# Altium PCB USB-GPIB-hammond.PcbDoc
Units mm, origin at the board's own origin, x right, y up, seen from the top; angles counter-clockwise.
Board outline 56.61 x 57.66 mm, 4 copper layers (Top Layer, Layer 1, Layer 2, Bottom Layer), stack 1.585 mm thick; 46 components, 65 nets, 247 pads, 131 vias.
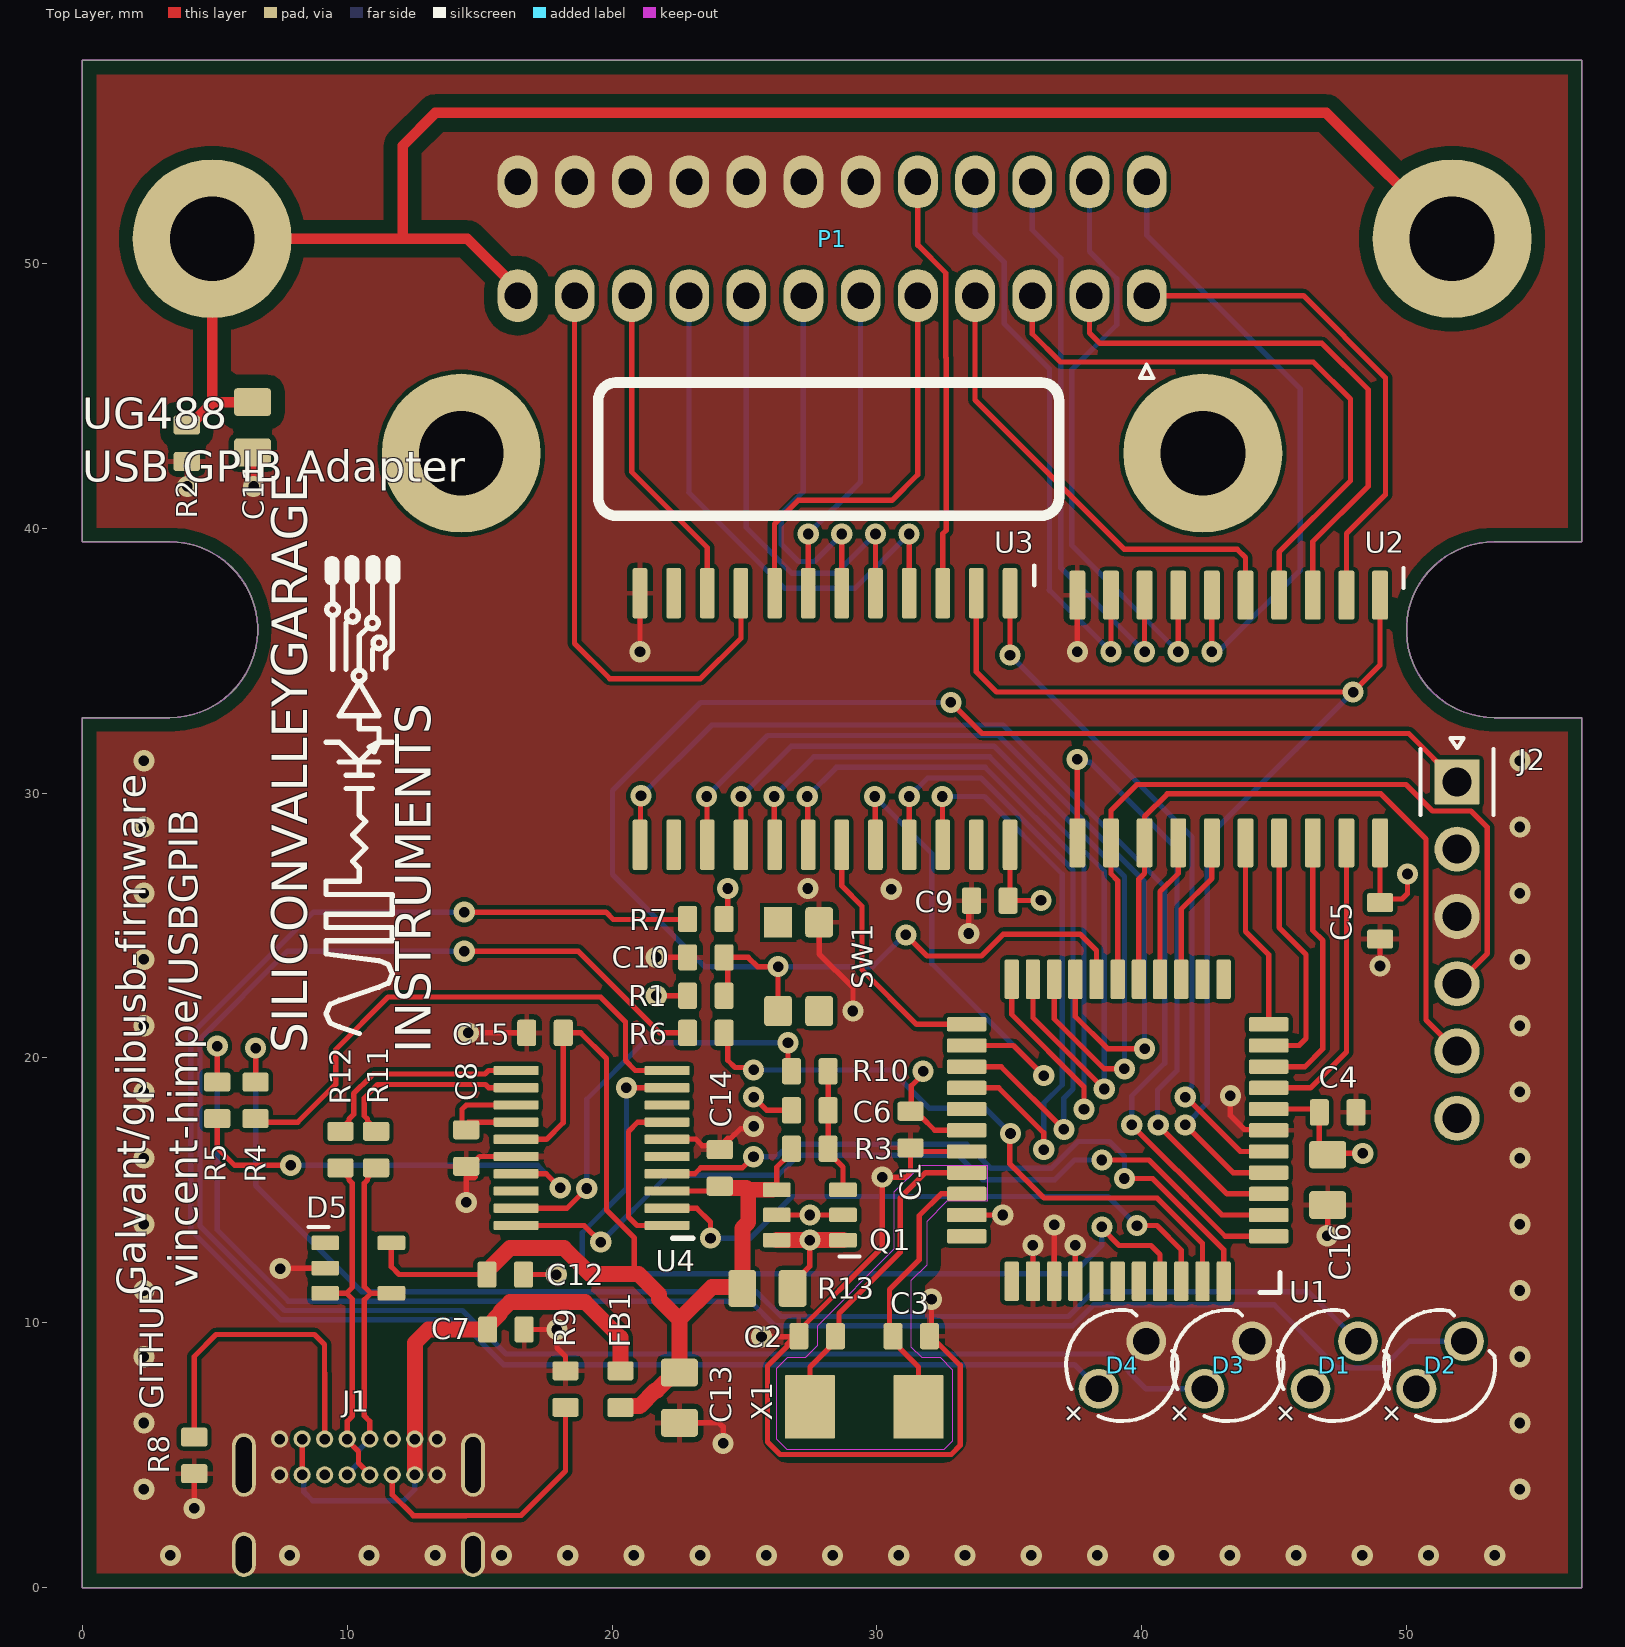
[diagram p0: Top Layer view]
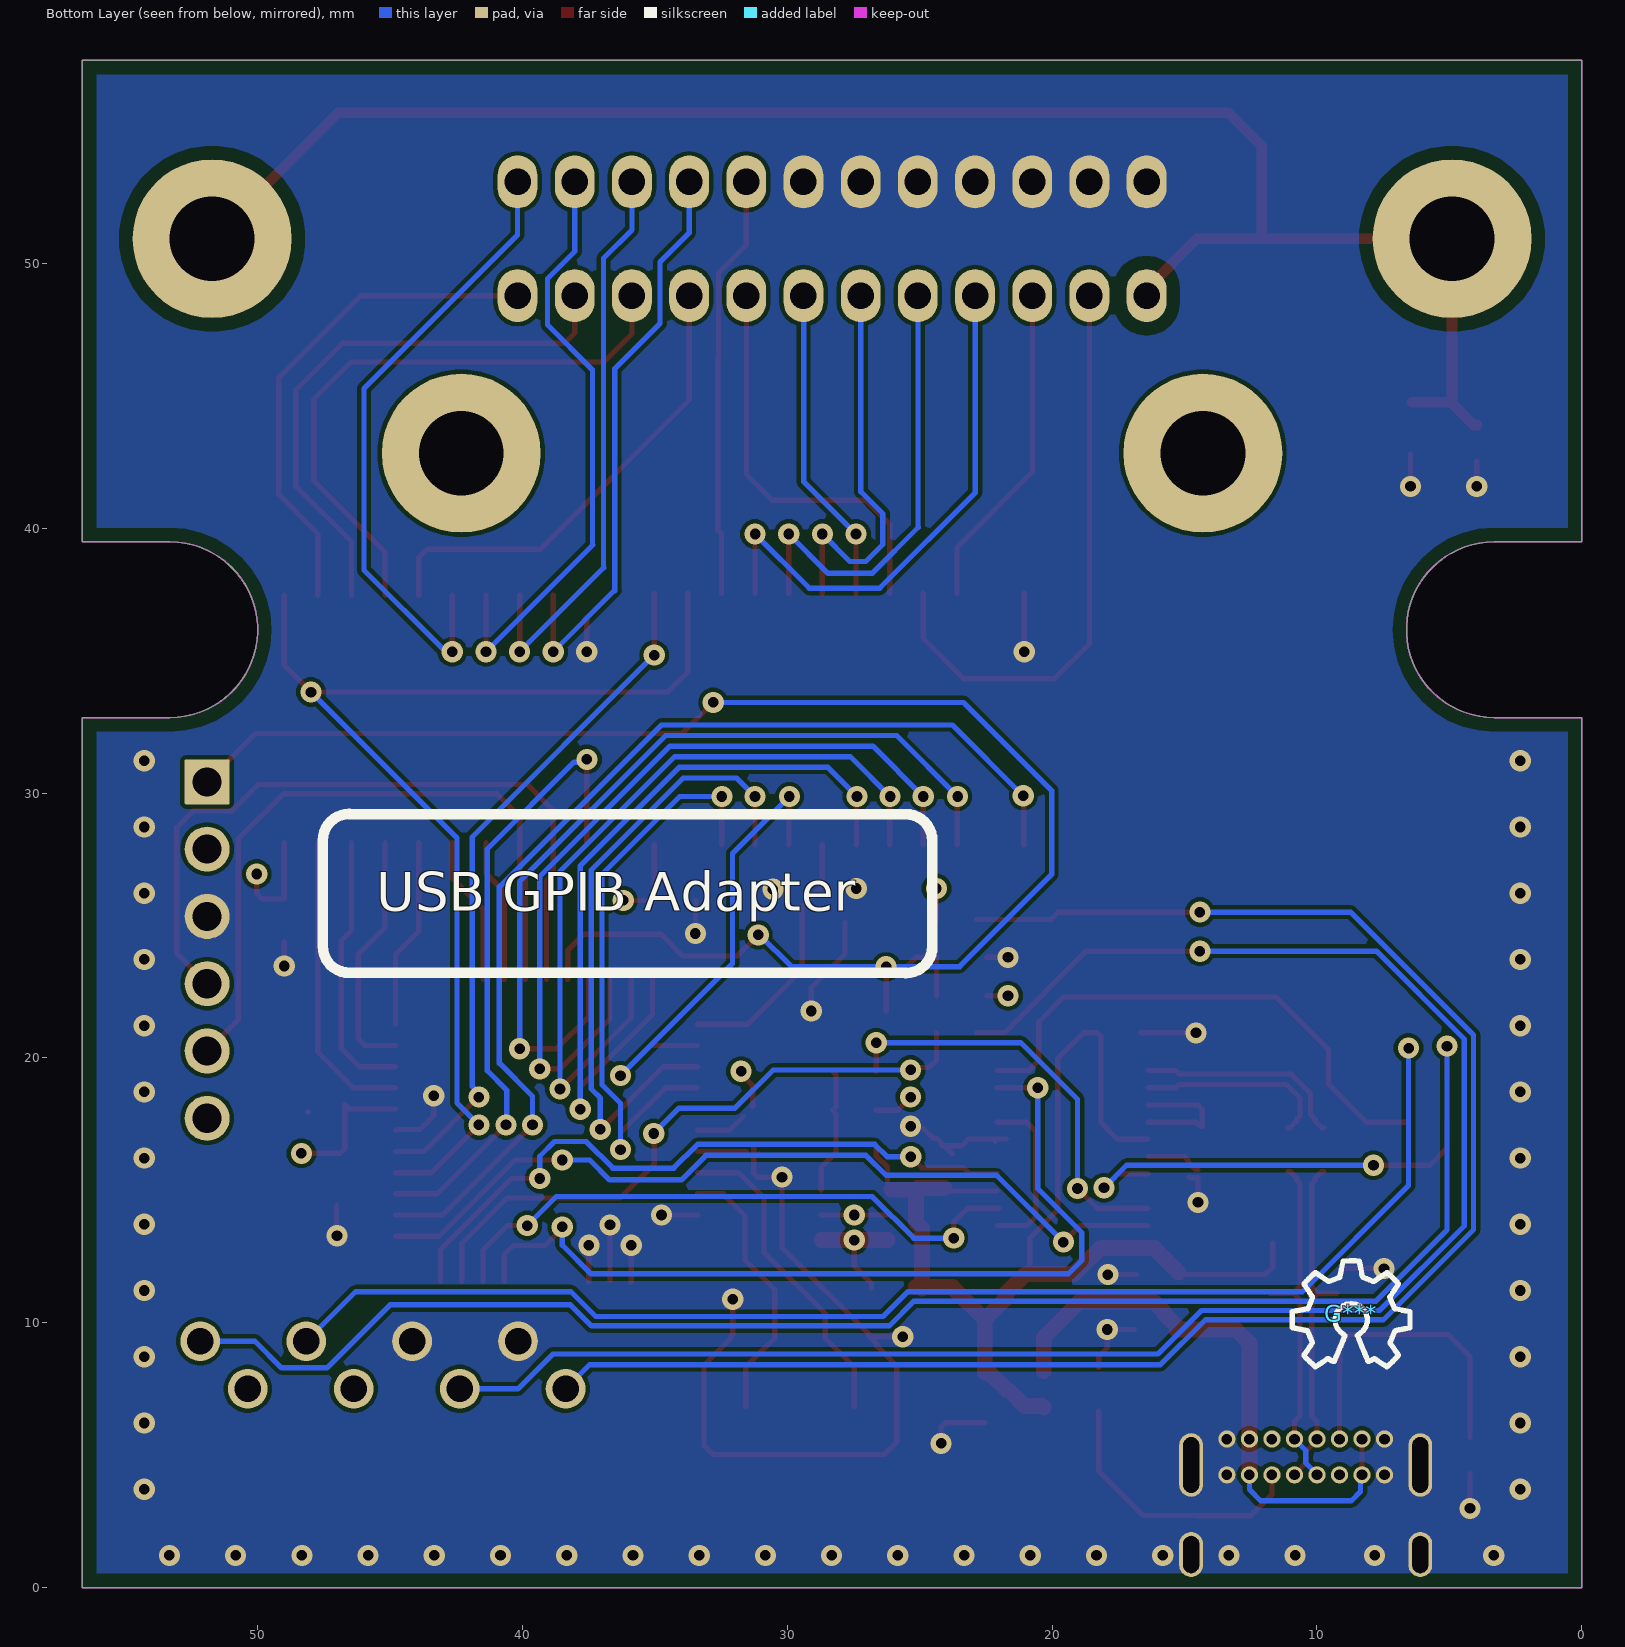
[diagram p1: Bottom Layer view, seen from below]
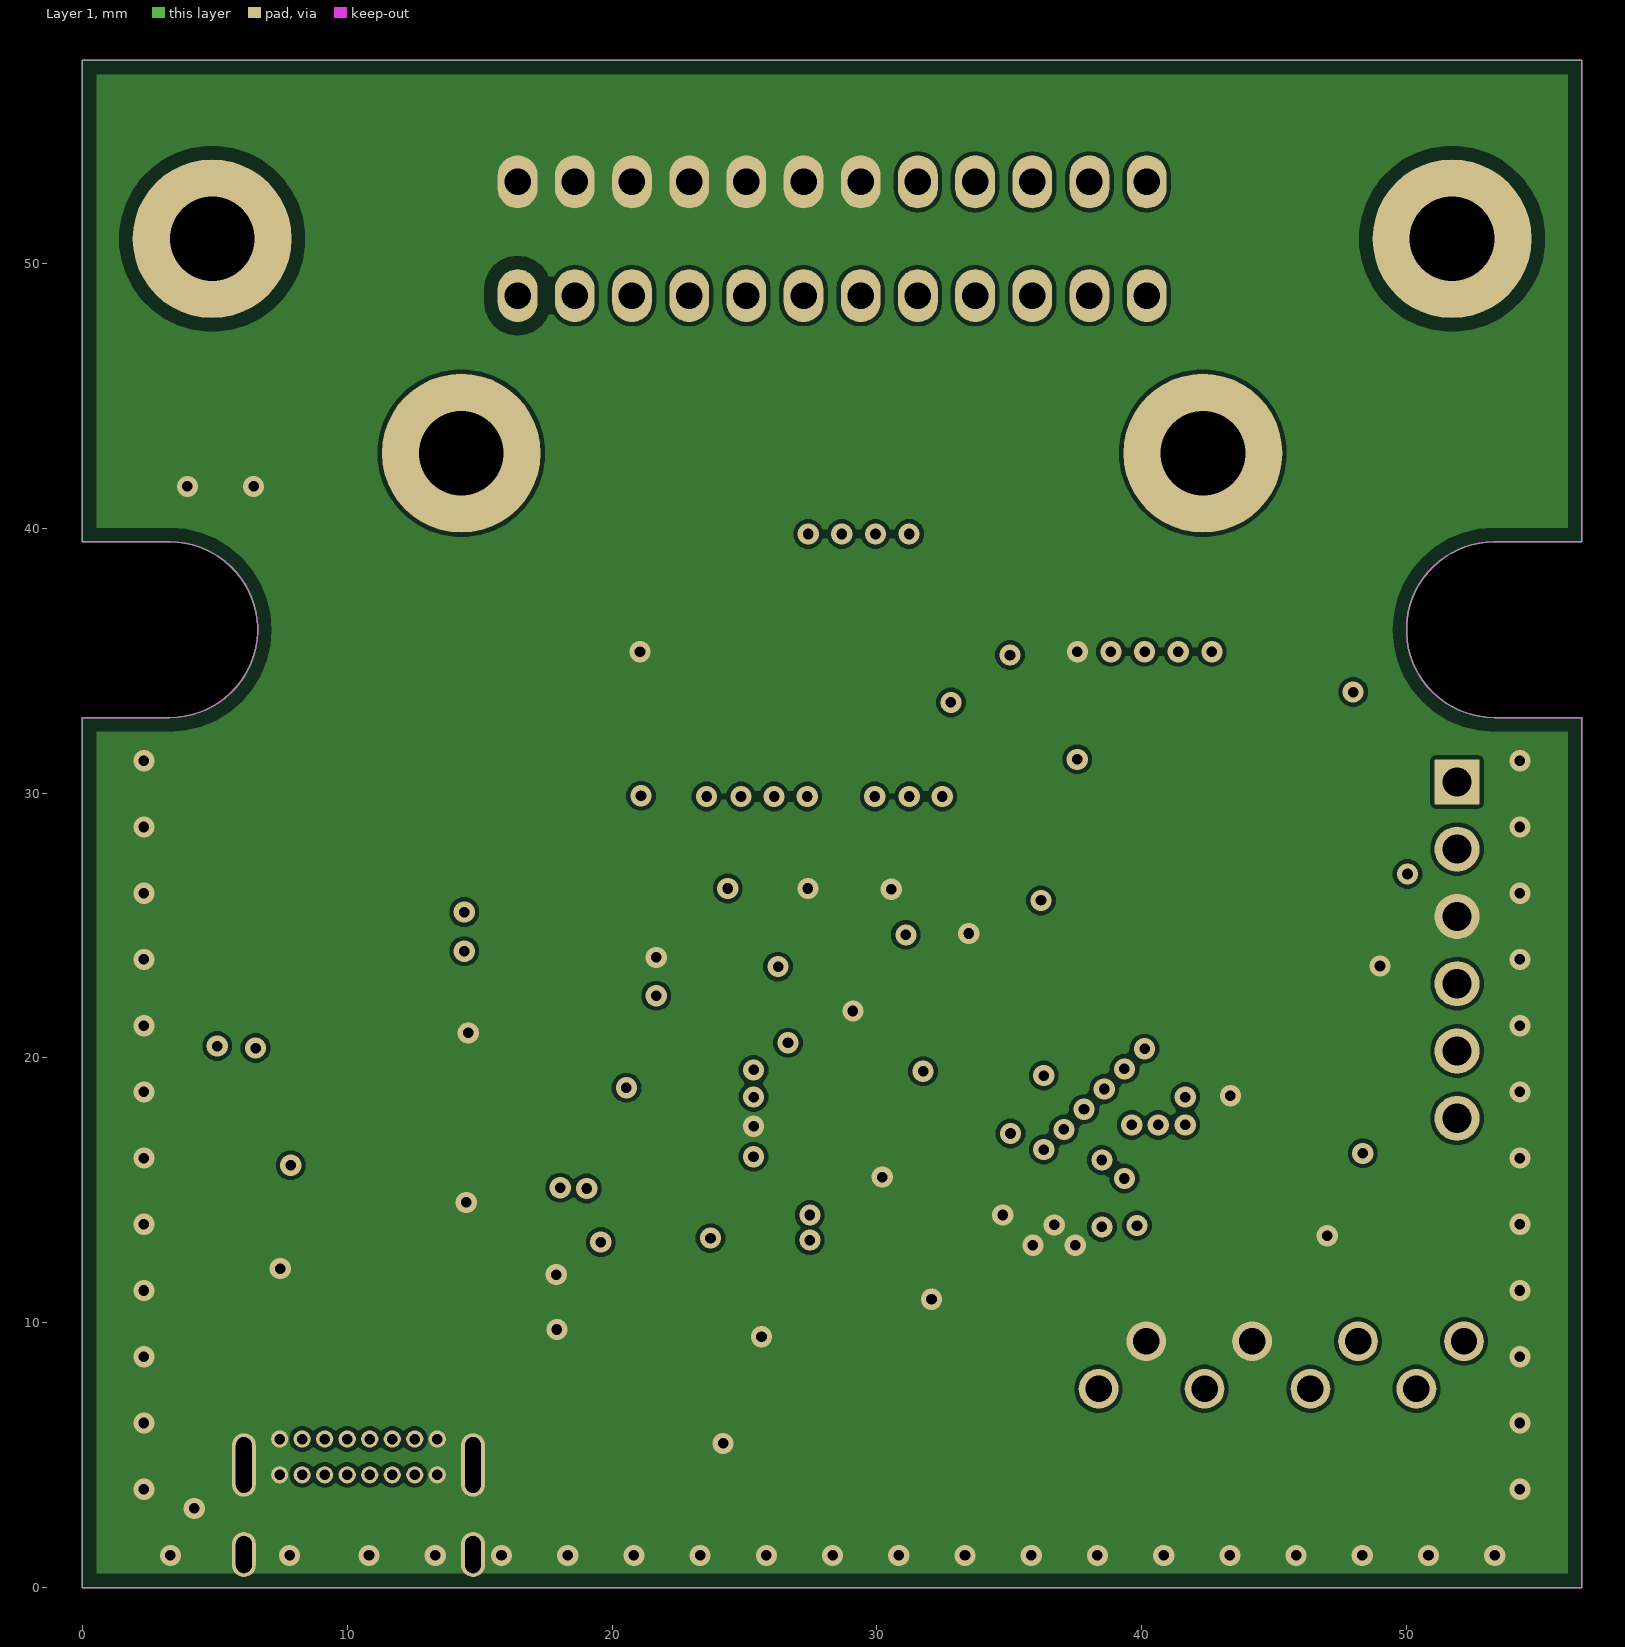
[diagram p2: Layer 1]
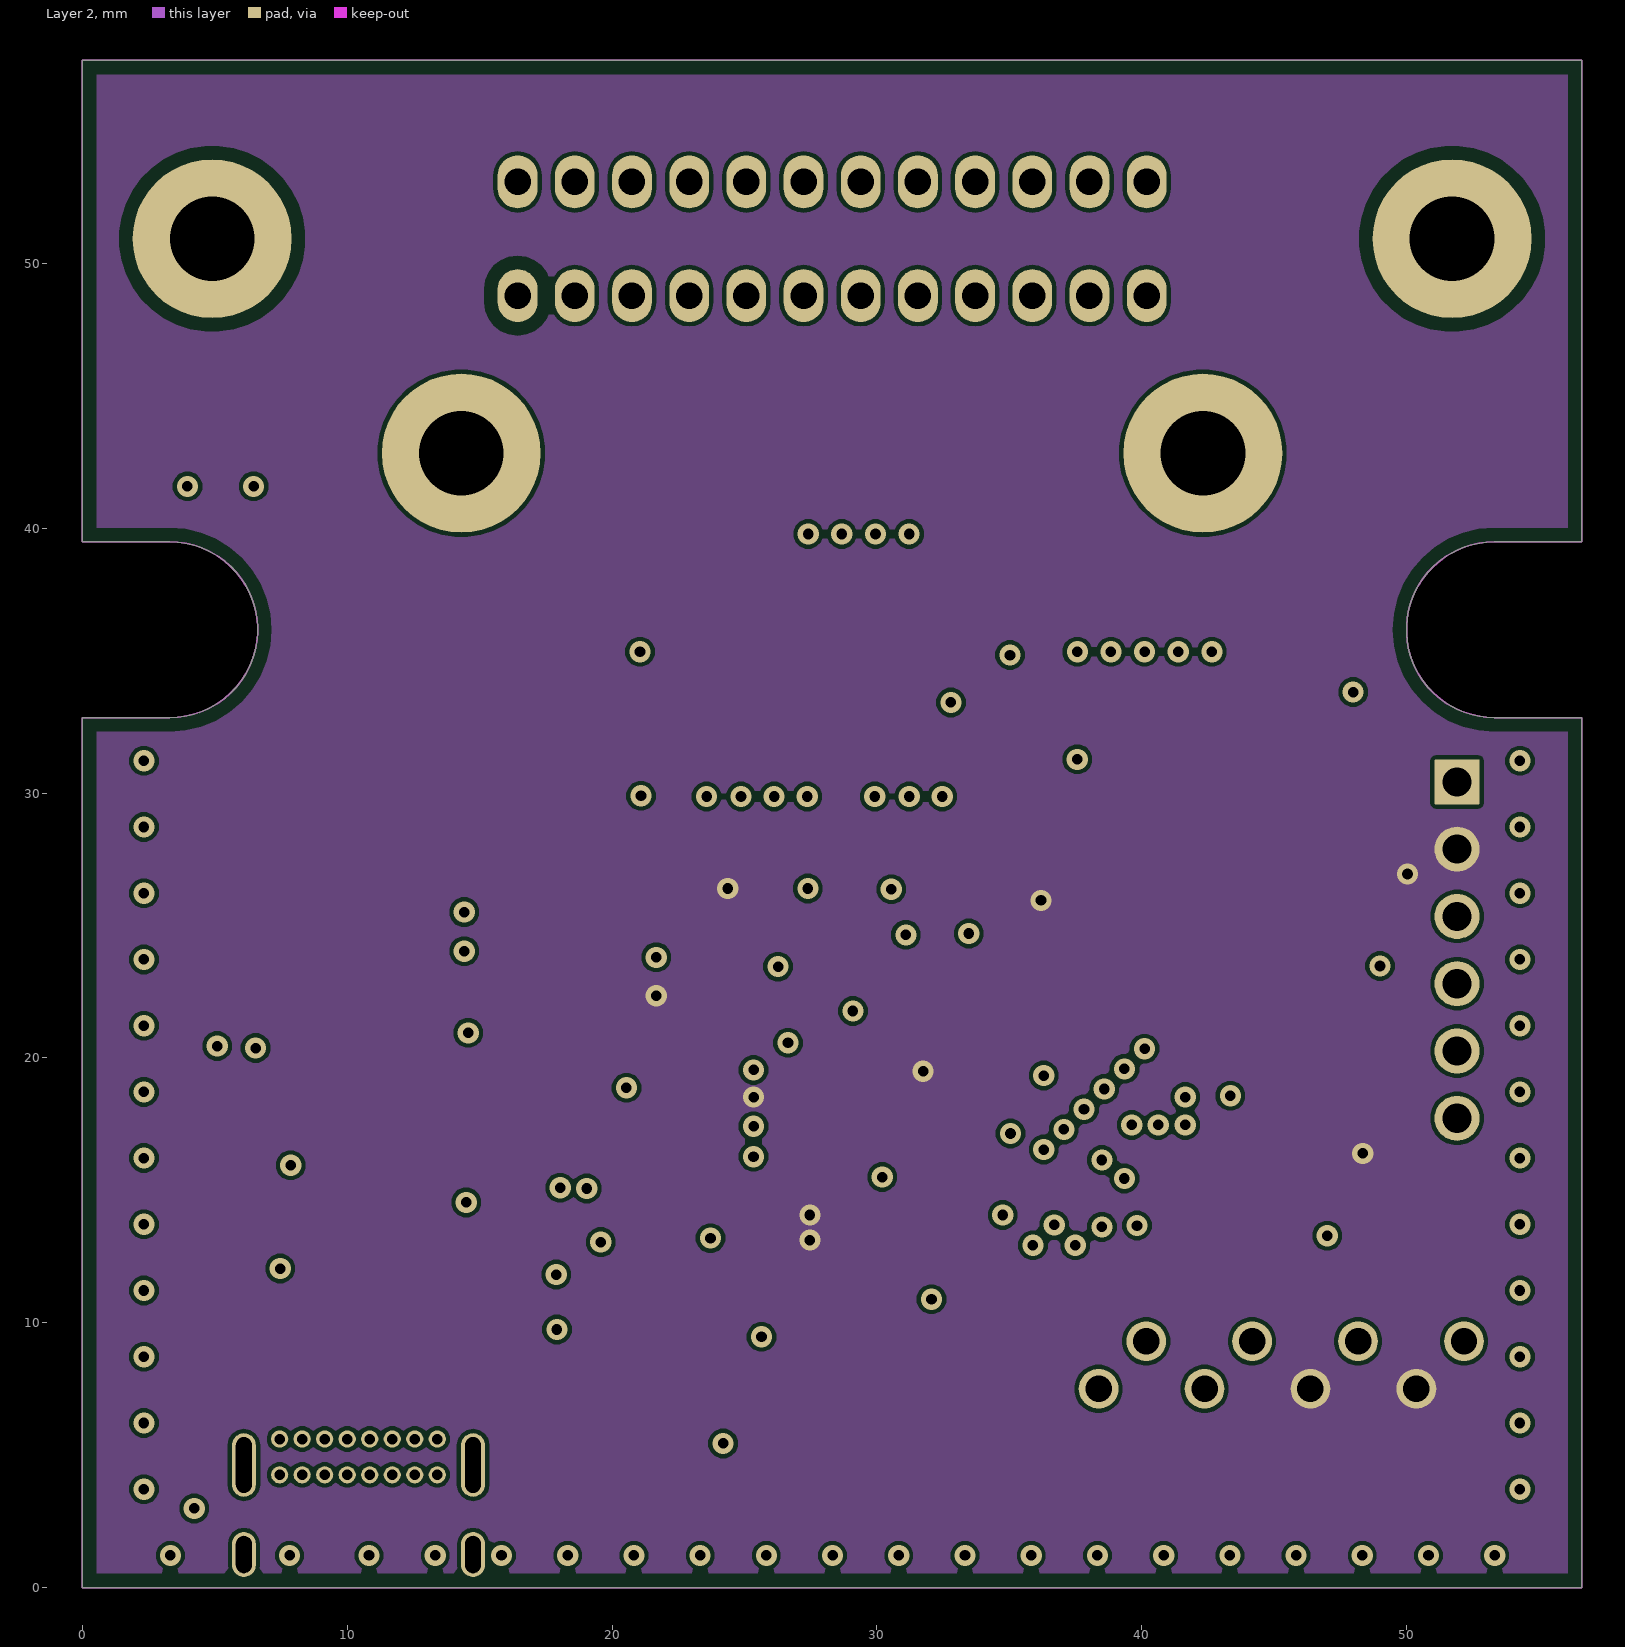
[diagram p3: Layer 2]
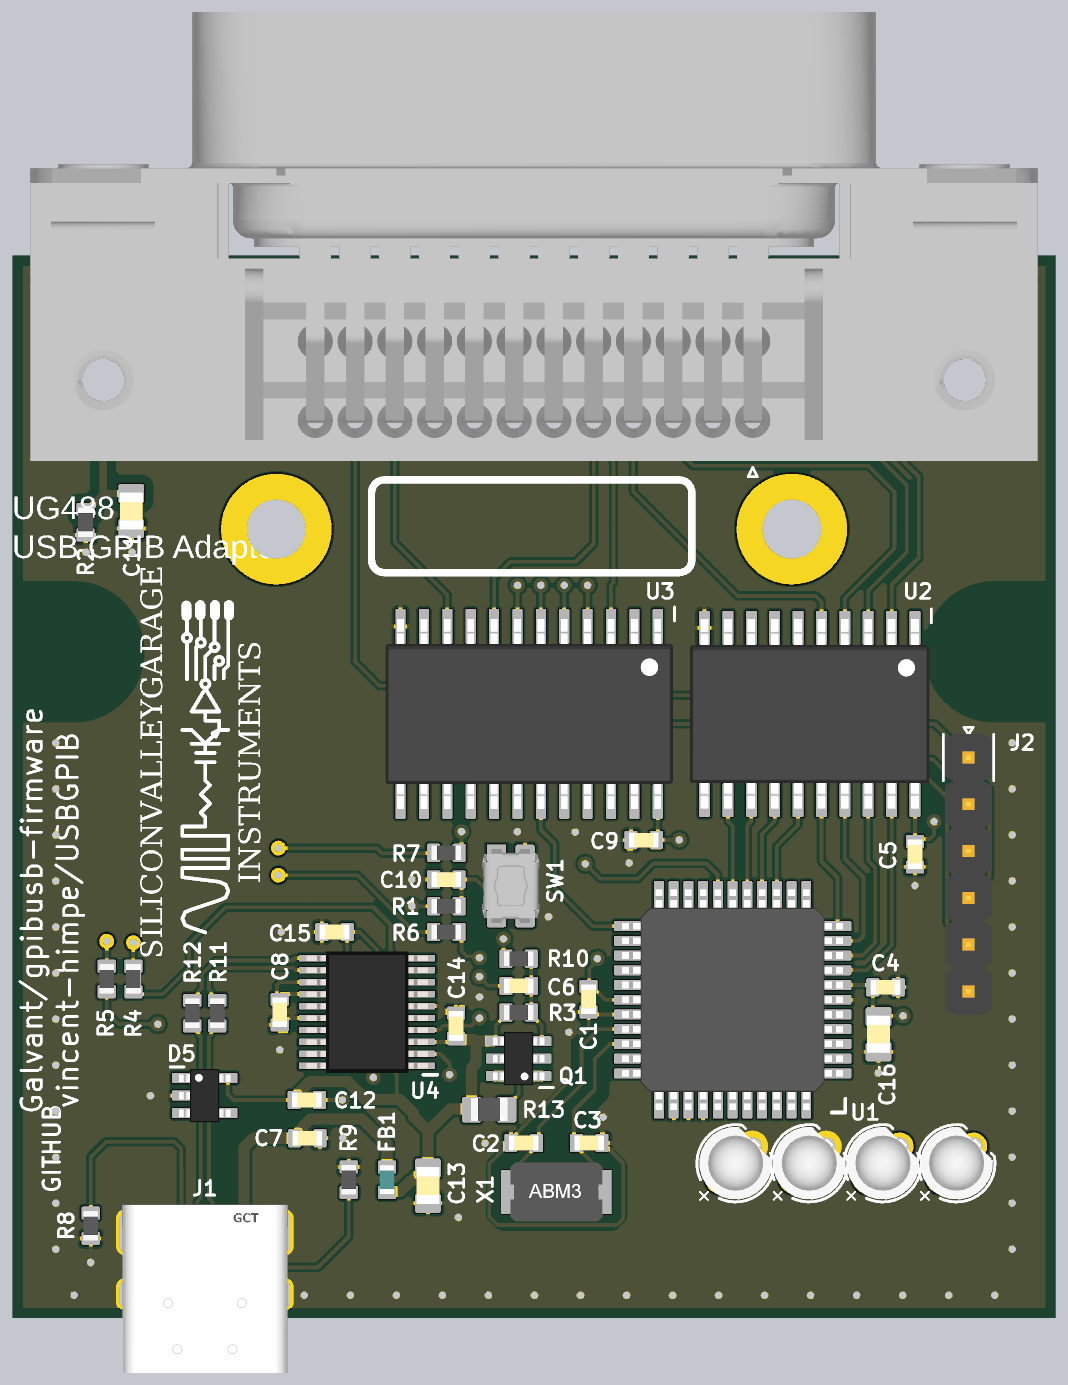
[diagram p4: 3D render of the assembled board from above, using the file's embedded part models]

## Layer stack, top to bottom
Top Solder: solder mask 0.01, Solder Resist, Dk 3.5
Top Layer: signal copper 0.035
Dielectric 2: prepreg 0.21, 7628 X 1, Dk 4.1
Layer 1: signal copper 0.015
Dielectric 1: core 1.065, FR-4, Dk 4.8
Layer 2: signal copper 0.015
Dielectric 3: prepreg 0.21, 7628 X 1, Dk 4.1
Bottom Layer: signal copper 0.035
Board Layer Stack Bottom Solder: solder mask 0.01, Solder Resist, Dk 3.5

## Board outline
0,0 0,32.85 3.305,32.85 ccw(c3.305,36.165) 3.305,39.48 0,39.48 0,57.66 56.61,57.66 56.61,39.48 53.305,39.48 ccw(c53.305,36.165) 53.305,32.85 56.61,32.85 56.61,0

## Design rules (kind name [scope] priority, off if disabled: settings)
Clearance Clearance_2 [InNet('SHIELD')] p1: gap=0.5 ignorepadtopadclearanceinfootprint=FALSE
Clearance Clearance_1 [All vs IsKeepOut] p2: gap=0.5 ignorepadtopadclearanceinfootprint=FALSE
Clearance [All] p3: gap=0.152 ignorepadtopadclearanceinfootprint=FALSE
HoleSize [All] p1: absolutevalues=TRUE maxlimit=10 minlimit=0.025 maxpercent=80.000 minpercent=20.000
MinimumSolderMaskSliver [All] p1: minsoldermaskwidth=0.075
PolygonConnect [All] p1: thpad.connectstyle=Direct thpad.reliefconductorwidth=0.254 thpad.reliefentries=4 thpad.polygonreliefangle="90 Angle" thpad.airgapwidth=0.254 smdpad.connectstyle=Relief smdpad.reliefconductorwidth=0.2 smdpad.reliefentries=4 smdpad.polygonreliefangle="90 Angle" smdpad.airgapwidth=0.2 via.connectstyle=Direct via.reliefconductorwidth=0.254 via.reliefentries=4 via.polygonreliefangle="90 Angle" via.airgapwidth=0.254
RoutingVias [All] p1: holewidth=0.4 width=0.8 viastyle="Through Hole" minholewidth=0.4 minwidth=0.8 maxholewidth=0.5 maxwidth=1
SilkToSilkClearance [All] p1: silktosilkclearance=0.15
SilkToSolderMaskClearance [IsPad] p1: minsilkscreentomaskgap=0.1 clearancetoexposedcopper=TRUE
SolderMaskExpansion [All] p1: expansion=0.102 istentingtop=FALSE
SupplyNets "Schematic Supply Nets_6" [InNet('GROUND (RETURN)')] p1: voltage=0.000
SupplyNets "Schematic Supply Nets_5" [InNet('SUPPLY')] p2: voltage=0.000
SupplyNets "Schematic Supply Nets_4" [InNet('NET ON SAME PAGE')] p3: voltage=0.000
SupplyNets "Schematic Supply Nets_3" [InNet('SHIELD')] p4: voltage=0.000
SupplyNets "Schematic Supply Nets_2" [InNet('VBUS')] p5: voltage=0.000
SupplyNets "Schematic Supply Nets_1" [InNet('VCC')] p6: voltage=0.000
SupplyNets "Schematic Supply Nets" [InNet('GND')] p7: voltage=0.000
Width [All] p1: maxlimit=10 minlimit=0.2 preferedwidth=0.2
26 further rules are at their usual default settings.

## Components (designator, comment, footprint, x,y, rotation, side; value= is the part's Value field where it differs from the comment)
C1 "CAP0603" CAPC0603 31.266,17.295 r270 top
C2 "CAP0603" CAPC0603 27.74,9.491 r180 top
C3 "CAP0603" CAPC0603 31.296,9.491 r0 top
C4 "CAP0603" CAPC0603 47.391,17.945 r0 top
C5 "CAP0603" CAPC0603 48.993,25.174 r270 top
C6 "CAP0603" CAPC0603 27.466,18.02 r0 top
C7 "CAP0603" CAPC0603 15.991,9.745 r0 top
C8 "CAP0603" CAPC0603 14.491,16.595 r270 top locked
C9 "CAP0603" CAPC0603 34.261,25.936 r180 top
C10 "CAP0603" CAPC0603 23.541,23.795 r180 top
C11 "CAP0805" CAPC0805 6.426,43.81 r270 top locked
C12 "CAP0603" CAPC0603 15.966,11.82 r0 top
C13 "CAP0805" CAPC0805 22.541,7.17 r270 top
C14 "CAP0603" CAPC0603 24.066,15.845 r90 top
C15 "CAP0603" CAPC0603 17.466,20.945 r180 top
C16 "CAP0805" CAPC0805 47.016,15.395 r270 top
D1 "LED-3MM-GREEN" LED-3MM-GREEN 47.264,8.403 r45 top
D2 "LED-3MM-GREEN" LED-3MM-GREEN 51.264,8.403 r45 top
D3 "LED-3MM-GREEN" LED-3MM-GREEN 43.264,8.403 r45 top
D4 "LED-3MM-GREEN" LED-3MM-GREEN 39.264,8.403 r45 top
D5 "TVS-WURTH-824011" SOT23-5 10.417,12.063 r0 top
FB1 "FB0603" FB0603 20.316,7.495 r270 top value=1KZ
G*** "Comment" LOGO 8.71,10.338 r180 bottom value=LOGO
J1 "CONN-USBC-USB2-HOR" CONN-GCT-USB4085 10.424,1.585 r0 top
J2 "CONN-HEADER-PIN-1X6" HEADER-1X6 51.9,24.07 r270 top
P1 "CONN-NORCOMP-112-024-113R001" CONN-NORCOMP-112-024-113R001 28.306,50.925 r0 top
Q1 "SI3443" SOT23-6 27.466,14.07 r180 top
R1 "RESC0603" RESC0603 23.541,22.345 r0 top value=10K
R2 "RESC0603" RESC0603 3.942,43.202 r270 top locked value=4K7
R3 "RESC0603" RESC0603 27.466,16.57 r180 top value=10K
R4 "RESC0603" RESC0603 6.541,18.395 r90 top value=1K
R5 "RESC0603" RESC0603 5.091,18.395 r90 top value=1K
R6 "RESC0603" RESC0603 23.541,20.945 r180 top value=1K
R7 "RESC0603" RESC0603 23.542,25.245 r180 top value=1K
R8 "RESC0603" RESC0603 4.223,4.992 r90 top value=5K1
R9 "RESC0603" RESC0603 18.241,7.495 r90 top value=5K1
R10 "RESC0603" RESC0603 27.466,19.495 r0 top value=1K
R11 "RESC0603" RESC0603 11.092,16.538 r90 top locked value=27R
R12 "RESC0603" RESC0603 9.742,16.538 r90 top locked value=27R
R13 "RESC0805" RESC0805 25.866,11.295 r0 top value=0R
SW1 "SWITCH-PANASONIC-EVP-AA202K" SWITCH-PANASONIC-EVP-AA202K 27.041,23.445 r270 top
U1 "PIC18F4520" QFP80P1200X1200-44N 39.087,17.267 r180 top locked
U2 "SN75160B" SO127P1030-20N 43.278,32.794 r270 top locked
U3 "SN75162B" SO127P1030-24N 28.038,32.794 r270 top locked
U4 "IC-FTDI-FT231XS-R" SO65P640X110-20N 19.216,16.595 r180 top
X1 "CRYSTAL-2PIN" XTAL-ABRACON-ABM3 29.518,6.824 r0 top
